# Altium PCB APP_EMILE.PcbDoc (part 4 of 6) (continued)
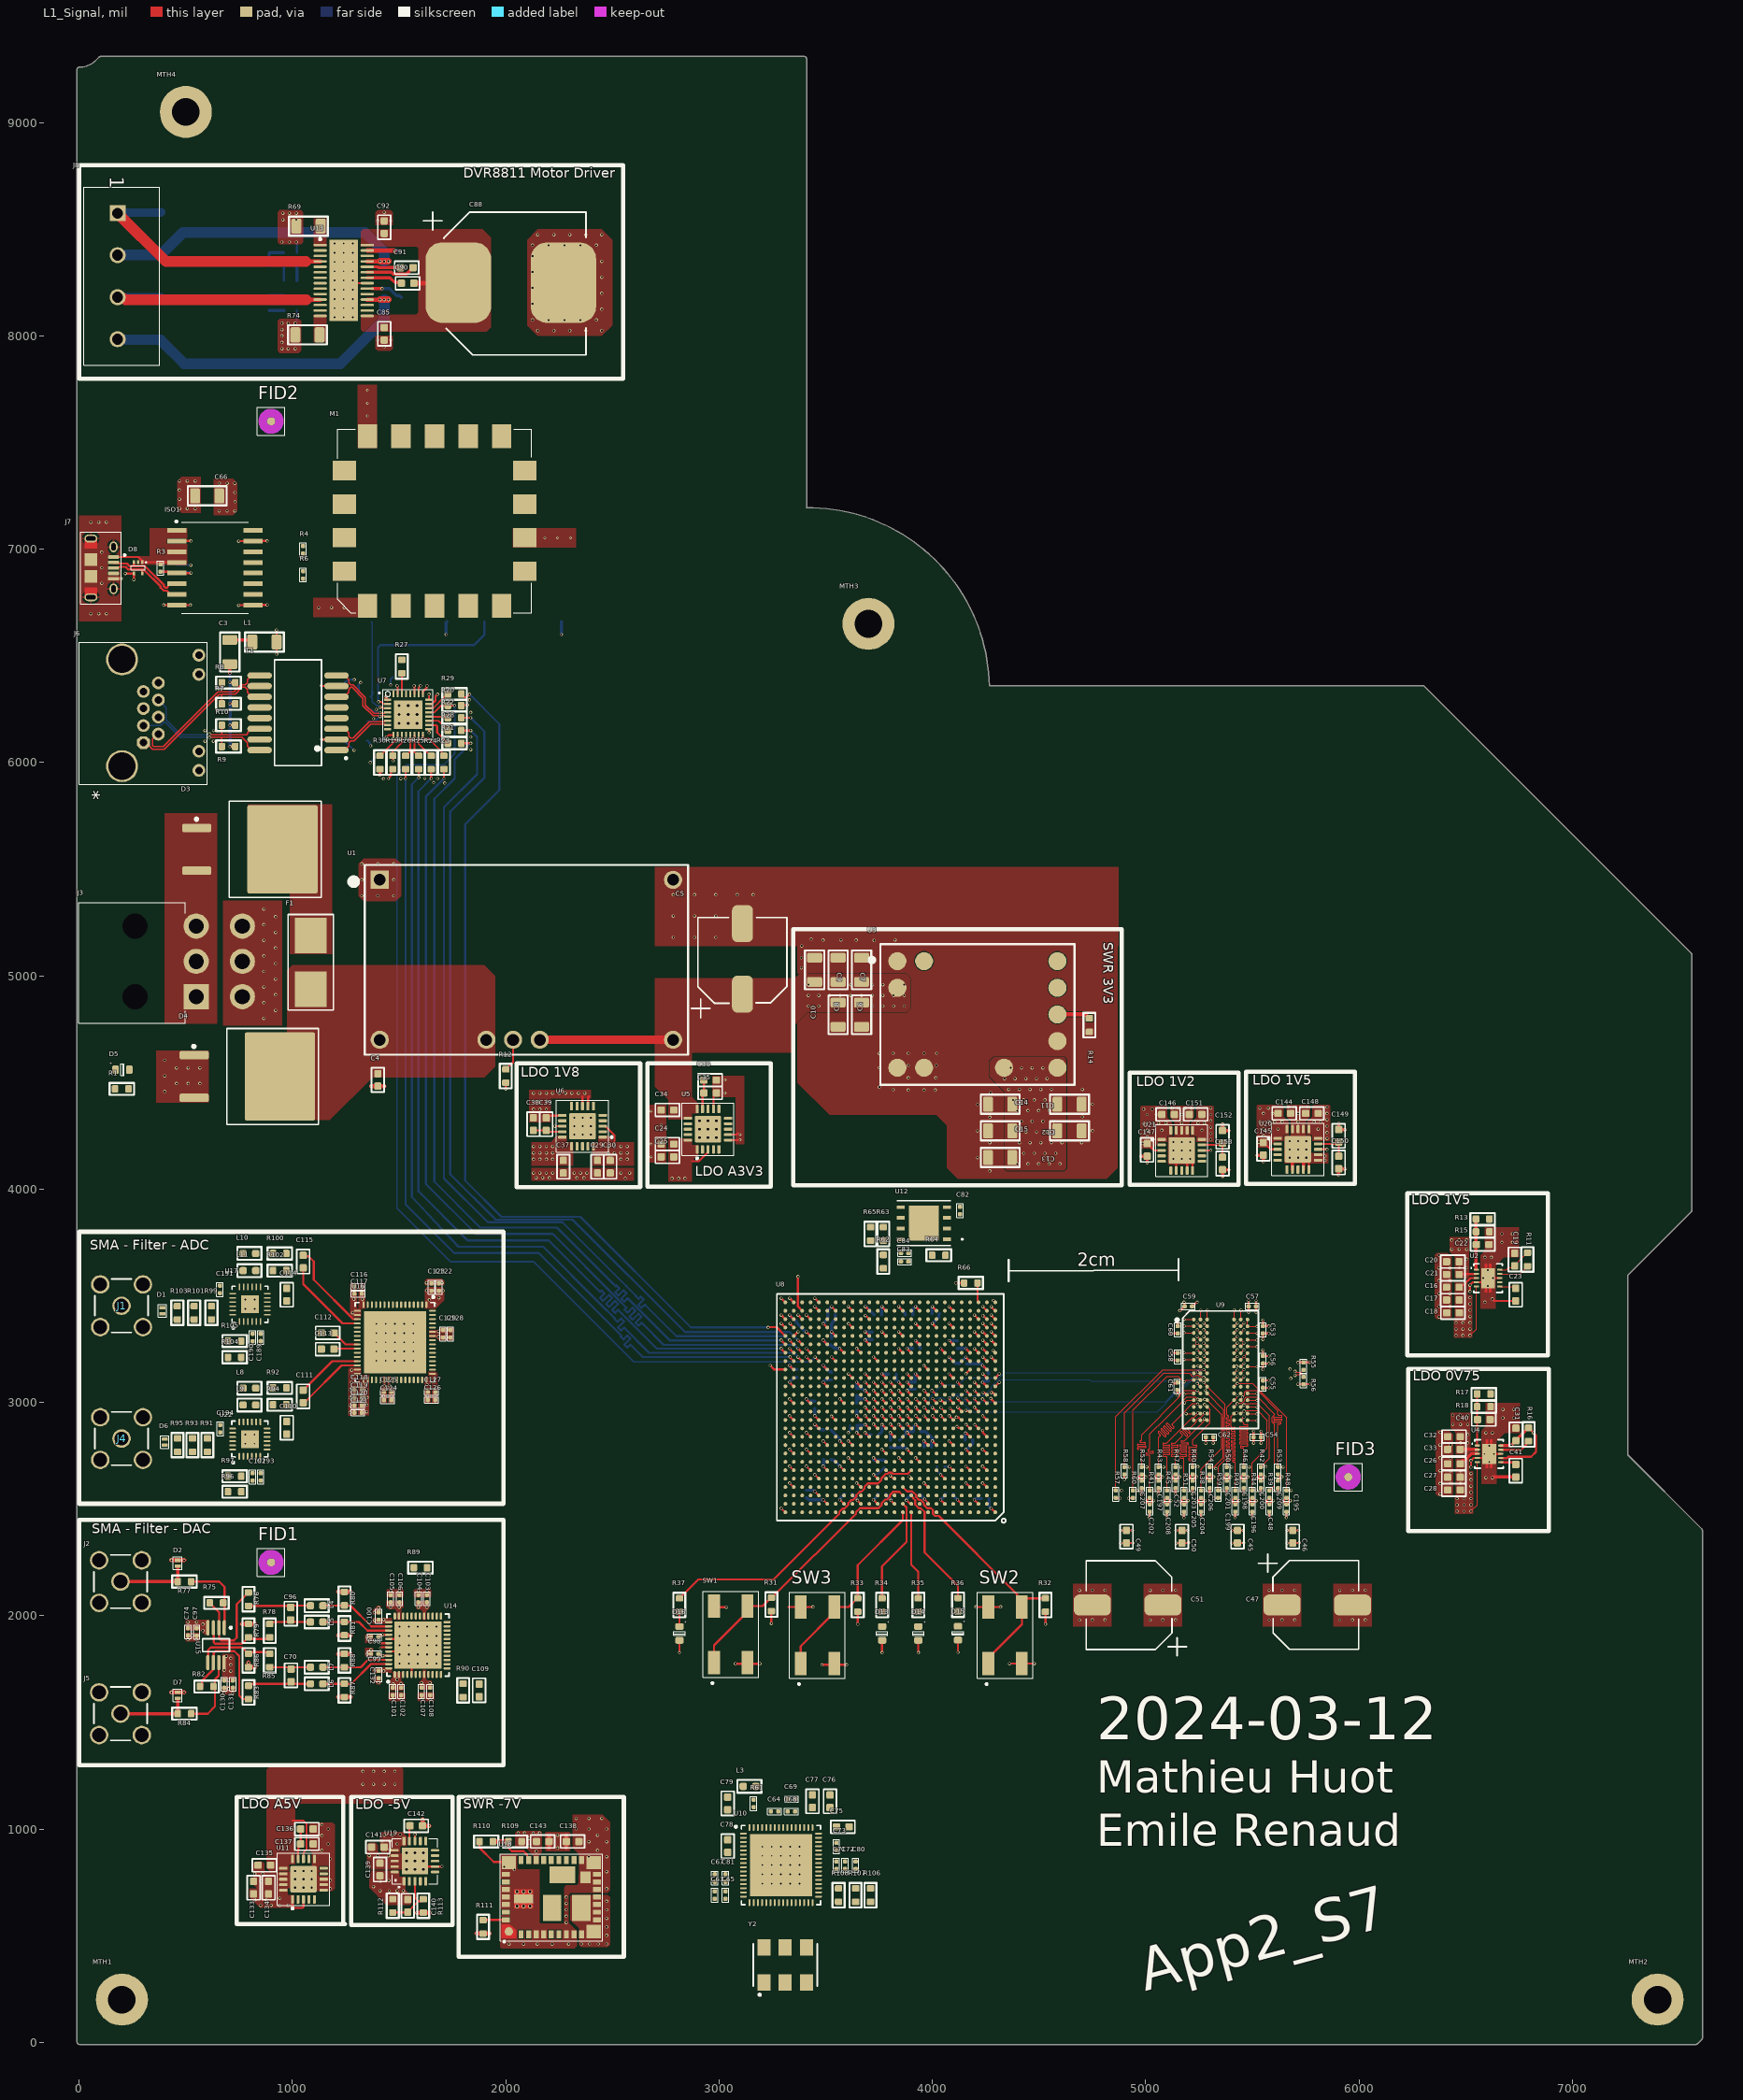
[diagram p0: L1_Signal view]
## Nets (pads, with @x,y where several pads share a name; then routed paths per layer and width w, separated by ;. In a path a pad name is that pad's centre, name@x,y a point inside that pad or via, vN(x,y) a via of type N, cw(c..) or ccw(c..) an arc to the next point about the centre after c; other vN are vias at no path point) (continued)
  L1_Signal w4: U9.N8@5445.68,3010.7 5445.68,3013.57 5453.91,3021.81 v1(5453.91,3024.68)
  L1_Signal w10: v1(4273.74,3018.22) 4273.74,3017.98 4294.79,2996.93 U8.P1@4294.79,2996.68
  L3_Signal w7.04: v1(4273.74,3018.22) 4444.57,3018.22 4450.72,3024.38 4454.24,3024.38 ccw(c4454.24,3031.41) 4461.28,3031.41 4461.28,3031.63 cw(c4467.3,3031.63) 4473.32,3031.63 4473.32,3031.41 ccw(c4480.36,3031.41) 4480.36,3024.38 4676.95,3024.38 4803.64,3024.38 4807.16,3024.38 ccw(c4807.16,3031.41) 4814.2,3031.41 4814.2,3031.78 cw(c4820.22,3031.78) 4826.24,3031.78 4826.24,3010.39 ccw(c4832.25,3010.39) 4838.27,3010.39 4838.27,3031.78 cw(c4844.29,3031.78) 4850.31,3031.78 4850.31,3010.39 ccw(c4856.33,3010.39) 4862.35,3010.39 4862.35,3031.78 cw(c4868.37,3031.78) 4874.39,3031.78 4874.39,3010.39 ccw(c4880.41,3010.39) 4886.43,3010.39 4886.43,3031.78 cw(c4892.44,3031.78) 4898.46,3031.78 4898.46,3010.39 ccw(c4904.48,3010.39) 4910.5,3010.39 4910.5,3031.78 cw(c4916.52,3031.78) 4922.54,3031.78 4922.54,3010.39 ccw(c4928.56,3010.39) 4934.58,3010.39 4934.58,3031.78 cw(c4940.6,3031.78) 4946.62,3031.78 4946.62,3010.39 ccw(c4952.63,3010.39) 4958.65,3010.39 4958.65,3020.82 cw(c4964.67,3020.82) 4970.69,3020.82 4970.69,3010.39 ccw(c4976.71,3010.39) 4982.73,3010.39 4982.73,3018.47 cw(c4988.75,3018.47) 4994.77,3018.47 4994.77,3010.39 ccw(c5000.79,3010.39) 5006.81,3010.39 5006.81,3018.46 cw(c5012.82,3018.46) 5018.84,3018.46 5018.84,3010.39 ccw(c5024.86,3010.39) 5030.88,3010.39 5030.88,3018.46 cw(c5036.9,3018.46) 5042.92,3018.46 5042.92,3010.39 ccw(c5048.94,3010.39) 5054.96,3010.39 5054.96,3018.45 cw(c5060.98,3018.45) 5067,3018.45 5067,3010.39 ccw(c5073.01,3010.39) 5079.03,3010.39 5079.03,3018.45 cw(c5085.05,3018.45) 5091.07,3018.45 5091.07,3010.39 ccw(c5097.09,3010.39) 5103.11,3010.39 5103.11,3017.34 cw(c5110.15,3017.34) 5110.15,3024.38 5139.7,3024.38 ; 5139.69,3024.36 5144.26,3019.8 5206.08,3019.8 5215.32,3029.04 5329.7,3029.04 5341.82,3016.92 5444,3016.92 5451.76,3024.68 v1(5453.91,3024.68)
DDR3_BA2: R54.1 U8.N5 U9.M3 | length 2113.4
  L1_Signal w3: U9.M3@5288.2,3042.2 5365.72,2964.68 5365.72,2933.67 5363.5,2931.46 5363.5,2741.54 5319.46,2697.5 R54.1@5300,2697.5
  L1_Signal w4: v1(5279.39,3056.46) 5279.39,3053.73 5288.2,3044.93 U9.M3@5288.2,3042.2
  L1_Signal w10: v1(4119.58,2977.44) 4119.58,2976.24 4137.23,2958.59 U8.N5@4137.31,2957.31
  L10_Signal w7.04: v1(4119.58,2977.44) 4120.94,2978.81 4137.64,2978.81 4149.05,2990.22 4163.59,2990.22 4177.47,2976.35 4177.47,2976.26 4191.35,2962.38 4275.89,2962.38 4279.41,2962.38 ccw(c4279.41,2969.42) 4286.45,2969.42 4286.45,2976.36 cw(c4292.47,2976.36) 4298.49,2976.36 4298.49,2968.4 ccw(c4304.51,2968.4) 4310.53,2968.4 4310.53,2976.36 cw(c4316.55,2976.36) 4322.57,2976.36 4322.57,2968.4 ccw(c4328.59,2968.4) 4334.6,2968.4 4334.6,2976.36 cw(c4340.62,2976.36) 4346.64,2976.36 4346.64,2968.4 ccw(c4352.66,2968.4) 4358.68,2968.4 4358.68,2976.36 cw(c4364.7,2976.36) 4370.72,2976.36 4370.72,2968.4 ccw(c4376.74,2968.4) 4382.76,2968.4 4382.76,2976.36 cw(c4388.78,2976.36) 4394.79,2976.36 4394.79,2968.4 ccw(c4400.81,2968.4) 4406.83,2968.4 4406.83,2976.36 cw(c4412.85,2976.36) 4418.87,2976.36 4418.87,2968.4 ccw(c4424.89,2968.4) 4430.91,2968.4 4430.91,2976.36 cw(c4436.93,2976.36) 4442.95,2976.36 4442.95,2968.4 ccw(c4448.97,2968.4) 4454.98,2968.4 4454.98,2976.36 cw(c4461,2976.36) 4467.02,2976.36 4467.02,2968.4 ccw(c4473.04,2968.4) 4479.06,2968.4 4479.06,2976.36 cw(c4485.08,2976.36) 4491.1,2976.36 4491.1,2968.4 ccw(c4497.12,2968.4) 4503.14,2968.4 4503.14,2976.36 cw(c4509.16,2976.36) 4515.17,2976.36 4515.17,2968.4 ccw(c4521.19,2968.4) 4527.21,2968.4 4527.21,2976.36 cw(c4533.23,2976.36) 4539.25,2976.36 4539.25,2968.4 ccw(c4545.27,2968.4) 4551.29,2968.4 4551.29,2974.98 cw(c4557.31,2974.98) 4563.33,2974.98 4563.33,2968.4 ccw(c4569.35,2968.4) 4575.36,2968.4 4575.36,2969.42 cw(c4581.38,2969.42) 4587.4,2969.42 ccw(c4594.44,2969.42) 4594.44,2962.38 4650.94,2962.38 4675.05,2962.38 4688.35,2975.68 5286.78,2975.68 5300.11,2989.01 5300.11,3035.73 v1(5279.39,3056.46)
DDR3_CAS_N: R58.1 U8.P8 U9.K3 | length 2125.2
  L1_Signal w4: R58.1@4900,2697.5 4900,2951.99 5084.7,3136.69 5205.6,3136.69 5219.46,3122.83 5230.94,3122.83 5237.16,3129.04 5244.75,3129.04 5250.96,3122.83 5263.98,3122.83 5270.02,3116.79 v1(5273,3116.79) 5274.8,3116.79 5286.4,3105.19 U9.K3@5288.2,3105.19
  L1_Signal w10: v1(4000.3,3017.98) 4000.3,3016.78 4019.2,2997.89 U8.P8@4019.2,2997.03
  L12_Signal w4: v1(4000.3,3017.98) 4023.68,3017.98 4028.73,3023.03 4049.29,3023.03 4063.67,3008.66 4084.22,3008.66 4107.46,3031.89 4125.35,3031.89 4153.23,3004.01 5092.67,3004.01 5155.19,3066.52 5168.22,3066.52 5230.74,3129.04 5261.16,3129.04 5273,3117.2 v1(5273,3116.79)
DDR3_CK_N: R56.1 U8.R3 U9.K7 | length 1699
  L1_Signal w4: U9.K7@5414.18,3105.19 5414.18,3105.37 5429.02,3120.21 v1(5429.02,3120.39) ; v1(5700,3127.14) 5702.98,3127.14 5707.48,3131.64 5724.35,3131.64 5724.65,3131.94 5729.9,3131.94 5740,3121.84 R56.1@5740,3120.39
  L1_Signal w10: v1(4197.15,3054.94) U8.R3@4216.05,3036.05
  L3_Signal w4: v1(4197.15,3054.94) 4184.53,3054.94 4182.19,3057.29 4182.19,3060.6 4193.12,3071.53 4334.53,3071.53 4335,3071.06 ; 5416.11,3129.98 5419.43,3129.98 v1(5429.02,3120.39) 5440.27,3131.64 5454.09,3131.64 5455.34,3132.89 5638.12,3132.89 5639.37,3131.64 5692.52,3131.64 5697.02,3127.14 v1(5700,3127.14)
  L3_Signal w5.38: 4335,3071.06 4339.3,3071.06 4358.28,3090.04 4525.28,3090.04 4540.59,3074.73 4649.64,3074.73 4709.73,3134.82 5015.94,3134.82 5021.32,3140.2 5227.61,3140.2 5230.76,3137.05 5230.76,3136.08 5238.48,3128.35 5249.41,3128.35 5254.02,3132.97 5260.25,3132.97 5263.24,3129.98 5416.11,3129.98
DDR3_CK_P: R55.2 U8.R4 U9.J7 | length 1714.4
  L1_Signal w4: U9.J7@5414.18,3136.69 v1(5429.07,3151.57) ; v1(5700,3145.14) 5702.98,3145.14 5707.48,3140.64 5712.5,3140.64 5712.81,3140.94 5729.9,3140.94 5740,3151.04 R55.2@5740,3152.5
  L1_Signal w10: v1(4157.78,3054.94) U8.R4@4176.68,3036.05
  L3_Signal w4: v1(4157.78,3054.94) 4170.41,3054.94 4172.75,3057.29 4172.75,3064.51 4189.21,3080.97 4334.53,3080.97 4335,3081.44 ; 5417.49,3140.35 5428.7,3151.57 v1(5429.07,3151.57) ; v1@5429.02,3151.88 5440.27,3140.64 5450.36,3140.64 5451.61,3141.89 5641.85,3141.89 5643.1,3140.64 5692.52,3140.64 5697.02,3145.14 v1(5700,3145.14)
  L3_Signal w5.38: 4335,3081.44 4353.98,3100.42 4529.58,3100.42 4544.89,3085.11 4645.34,3085.11 4705.43,3145.2 5011.64,3145.2 5017.02,3150.58 5234.33,3150.58 5238.48,3154.73 5249.41,3154.73 5257.13,3147 5257.13,3146.49 5260.28,3143.35 5264.55,3143.35 5267.54,3140.35 5417.49,3140.35
DDR3_CKE: U8.M9 | length 26.9
  L1_Signal w3: v1@3960.09,2937.18 v1@3960.16,2937.18 ; U8.M9@3979.75,2917.59 U8.M9@3979.83,2917.59
  L1_Signal w10: v1(3960.86,2936.83) U8.M9@3979.75,2917.94
DDR3_DM: U8.W3
DDR3_DQ0: U8.Y3 U9.E3 | length 1424.7
  L1_Signal w4: v1(5273,3277.51) 5273.18,3277.51 5288.02,3262.67 U9.E3@5288.2,3262.67
  L1_Signal w10: v1(4197.15,3251.79) U8.Y3@4216.05,3232.9
  L3_Signal w7.04: v1(4197.15,3251.79) 4216.27,3251.79 4239.41,3228.66 4443.66,3228.66 4506.53,3291.53 4729.37,3291.53 4732.89,3291.53 ccw(c4732.89,3298.57) 4739.93,3298.57 4739.93,3305.51 cw(c4745.95,3305.51) 4745.95,3311.53 cw(c4745.95,3305.51) 4751.97,3305.51 4751.97,3277.55 ccw(c4757.99,3277.55) 4757.99,3271.53 ccw(c4757.99,3277.55) 4764.01,3277.55 4764.01,3305.51 cw(c4770.03,3305.51) 4770.03,3311.53 cw(c4770.03,3305.51) 4776.05,3305.51 4776.05,3277.55 ccw(c4782.07,3277.55) 4782.07,3271.53 ccw(c4782.07,3277.55) 4788.09,3277.55 4788.09,3305.51 cw(c4794.1,3305.51) 4794.1,3311.53 cw(c4794.1,3305.51) 4800.12,3305.51 4800.12,3277.55 ccw(c4806.14,3277.55) 4806.14,3271.53 ccw(c4806.14,3277.55) 4812.16,3277.55 4812.16,3305.51 cw(c4818.18,3305.51) 4818.18,3311.53 cw(c4818.18,3305.51) 4824.2,3305.51 4824.2,3284.16 ccw(c4830.22,3284.16) 4830.22,3278.15 ccw(c4830.22,3284.16) 4836.24,3284.16 4836.24,3284.49 cw(c4843.28,3284.49) 4843.28,3291.53 5059.59,3291.53 5258.98,3291.53 v1(5273,3277.51)
DDR3_DQ1: U8.Y1 U9.F7 | length 1331.1
  L1_Signal w4: U9.F7@5414.18,3231.18 5414.18,3231.35 5429.02,3246.19 v1(5429.02,3246.37)
  L1_Signal w10: v1(4285.01,3242.68) U8.Y1@4294.79,3232.9
  L10_Signal w7.04: v1(4285.01,3242.68) 4287.17,3242.68 4296.29,3251.79 4556.81,3251.79 4572.37,3251.79 cw(c4572.37,3244.76) 4579.41,3244.76 4579.41,3237.81 ccw(c4585.43,3237.81) 4585.43,3231.79 ccw(c4585.43,3237.81) 4591.45,3237.81 4591.45,3251.05 cw(c4597.47,3251.05) 4597.47,3257.07 cw(c4597.47,3251.05) 4603.49,3251.05 4603.49,3237.81 ccw(c4609.51,3237.81) 4609.51,3231.79 ccw(c4609.51,3237.81) 4615.53,3237.81 4615.53,3251.05 cw(c4621.54,3251.05) 4621.54,3257.07 cw(c4621.54,3251.05) 4627.56,3251.05 4627.56,3237.81 ccw(c4633.58,3237.81) 4633.58,3231.79 ccw(c4633.58,3237.81) 4639.6,3237.81 4639.6,3251.05 cw(c4645.62,3251.05) 4645.62,3257.07 cw(c4645.62,3251.05) 4651.64,3251.05 4651.64,3243 ccw(c4657.66,3243) 4657.66,3236.98 ccw(c4657.66,3243) 4663.68,3243 4663.68,3244.76 cw(c4670.72,3244.76) 4670.72,3251.79 4743.02,3251.79 4774.31,3251.79 4782.55,3260.04 5415.36,3260.04 v1(5429.02,3246.37)
DDR3_DQ2: U8.W2 U9.F2 | length 1424.7
  L1_Signal w4: v1(5241.5,3246.02) 5241.68,3246.02 5256.52,3231.18 U9.F2@5256.7,3231.18
  L1_Signal w10: v1(4236.52,3212.42) U8.W2@4255.42,3193.53
  L3_Signal w7.04: v1(4236.52,3212.42) 4237.93,3211.02 4254.58,3211.02 4267.2,3198.41 4492.11,3198.41 4507.66,3198.41 cw(c4507.66,3191.37) 4514.7,3191.37 4514.7,3184.42 ccw(c4520.72,3184.42) 4520.72,3178.41 ccw(c4520.72,3184.42) 4526.74,3184.42 4526.74,3196.37 cw(c4532.76,3196.37) 4532.76,3202.39 cw(c4532.76,3196.37) 4538.78,3196.37 4538.78,3184.42 ccw(c4544.8,3184.42) 4544.8,3178.41 ccw(c4544.8,3184.42) 4550.82,3184.42 4550.82,3200.6 cw(c4556.84,3200.6) 4556.84,3206.62 cw(c4556.84,3200.6) 4562.86,3200.6 4562.86,3184.42 ccw(c4568.88,3184.42) 4568.88,3178.41 ccw(c4568.88,3184.42) 4574.9,3184.42 4574.9,3212.39 cw(c4580.91,3212.39) 4580.91,3218.41 cw(c4580.91,3212.39) 4586.93,3212.39 4586.93,3184.42 ccw(c4592.95,3184.42) 4592.95,3178.41 ccw(c4592.95,3184.42) 4598.97,3184.42 4598.97,3212.39 cw(c4604.99,3212.39) 4604.99,3218.41 cw(c4604.99,3212.39) 4611.01,3212.39 4611.01,3184.42 ccw(c4617.03,3184.42) 4617.03,3178.41 ccw(c4617.03,3184.42) 4623.05,3184.42 4623.05,3212.39 cw(c4629.07,3212.39) 4629.07,3218.41 cw(c4629.07,3212.39) 4635.09,3212.39 4635.09,3184.42 ccw(c4641.11,3184.42) 4641.11,3178.41 ccw(c4641.11,3184.42) 4647.13,3184.42 4647.13,3207.08 cw(c4653.15,3207.08) 4653.15,3213.1 cw(c4653.15,3207.08) 4659.16,3207.08 4659.16,3205.44 ccw(c4666.2,3205.44) 4666.2,3198.41 4717.33,3198.41 4728.45,3198.41 4776.58,3246.54 5240.98,3246.54 v1(5241.5,3246.02)
DDR3_DQ3: U8.W1 U9.F8 | length 1424.7
  L1_Signal w4: U9.F8@5445.68,3231.18 5445.68,3231.35 5460.52,3246.19 v1(5460.52,3246.37)
  L1_Signal w10: v1(4275.89,3212.42) U8.W1@4294.79,3193.53
  L3_Signal w7.04: v1(4275.89,3212.42) 4542.42,3212.42 4590.39,3260.39 4858.77,3260.39 4862.29,3260.39 ccw(c4862.29,3267.43) 4869.33,3267.43 4869.33,3274.37 cw(c4875.35,3274.37) 4875.35,3280.39 cw(c4875.35,3274.37) 4881.37,3274.37 4881.37,3262.6 ccw(c4887.39,3262.6) 4887.39,3256.58 ccw(c4887.39,3262.6) 4893.41,3262.6 4893.41,3274.37 cw(c4899.43,3274.37) 4899.43,3280.39 cw(c4899.43,3274.37) 4905.45,3274.37 4905.45,3262.6 ccw(c4911.47,3262.6) 4911.47,3256.58 ccw(c4911.47,3262.6) 4917.49,3262.6 4917.49,3274.37 cw(c4923.51,3274.37) 4923.51,3280.39 cw(c4923.51,3274.37) 4929.52,3274.37 4929.52,3262.6 ccw(c4935.54,3262.6) 4935.54,3256.58 ccw(c4935.54,3262.6) 4941.56,3262.6 4941.56,3274.37 cw(c4947.58,3274.37) 4947.58,3280.39 cw(c4947.58,3274.37) 4953.6,3274.37 4953.6,3262.6 ccw(c4959.62,3262.6) 4959.62,3256.58 ccw(c4959.62,3262.6) 4965.64,3262.6 4965.64,3268.58 cw(c4971.66,3268.58) 4971.66,3274.6 cw(c4971.66,3268.58) 4977.68,3268.58 4977.68,3267.43 ccw(c4984.72,3267.43) 4984.72,3260.39 5165.5,3260.39 5446.5,3260.39 v1(5460.52,3246.37)
DDR3_DQ4: U8.T3 U9.H3 | length 1427.5
  L1_Signal w4: v1(5272.45,3188.42) 5274.55,3186.32 5274.55,3181.65 5288.02,3168.18 U9.H3@5288.2,3168.18
  L1_Signal w10: v1(4197.15,3094.31) U8.T3@4216.05,3075.42
  L3_Signal w7.04: v1(4197.15,3094.31) 4215.57,3094.31 4240.93,3119.67 4526.74,3119.67 4530.26,3119.67 ccw(c4530.26,3126.7) 4537.3,3126.7 4537.3,3133.65 cw(c4543.32,3133.65) 4543.32,3139.67 cw(c4543.32,3133.65) 4549.34,3133.65 4549.34,3110.37 ccw(c4555.36,3110.37) 4555.36,3104.35 ccw(c4555.36,3110.37) 4561.38,3110.37 4561.38,3133.65 cw(c4567.4,3133.65) 4567.4,3139.67 cw(c4567.4,3133.65) 4573.42,3133.65 4573.42,3110.37 ccw(c4579.43,3110.37) 4579.43,3104.35 ccw(c4579.43,3110.37) 4585.45,3110.37 4585.45,3133.65 cw(c4591.47,3133.65) 4591.47,3139.67 cw(c4591.47,3133.65) 4597.49,3133.65 4597.49,3110.37 ccw(c4603.51,3110.37) 4603.51,3104.35 ccw(c4603.51,3110.37) 4609.53,3110.37 4609.53,3133.65 cw(c4615.55,3133.65) 4615.55,3139.67 cw(c4615.55,3133.65) 4621.57,3133.65 4621.57,3112.17 ccw(c4627.59,3112.17) 4627.59,3106.15 ccw(c4627.59,3112.17) 4633.61,3112.17 4633.61,3126.7 cw(c4639.63,3126.7) 4639.63,3132.72 cw(c4639.63,3126.7) 4645.65,3126.7 ccw(c4652.68,3126.7) 4652.68,3119.67 4659.47,3126.45 4718.02,3185 5183.8,3185 5195.85,3197.04 5261.67,3197.04 5270.29,3188.42 v1(5272.45,3188.42)
DDR3_DQ5: U8.T1 U9.H8 | length 1424.7
  L1_Signal w4: U9.H8@5445.68,3168.18 5445.68,3168.36 5460.52,3183.2 v1(5460.52,3183.38)
  L1_Signal w10: U8.T1@4294.79,3075.42 v1(4313.68,3094.31)
  L3_Signal w7.04: v1(4313.68,3094.31) 4328.99,3109.63 4533.39,3109.63 4548.71,3094.31 4641.53,3094.31 4663.63,3116.41 4721.62,3174.4 4880.41,3174.4 4895.97,3174.4 cw(c4895.97,3167.36) 4903,3167.36 4903,3160.42 ccw(c4909.02,3160.42) 4909.02,3154.4 ccw(c4909.02,3160.42) 4915.04,3160.42 4915.04,3168.94 cw(c4921.06,3168.94) 4921.06,3174.96 cw(c4921.06,3168.94) 4927.08,3168.94 4927.08,3160.42 ccw(c4933.1,3160.42) 4933.1,3154.4 ccw(c4933.1,3160.42) 4939.12,3160.42 4939.12,3168.94 cw(c4945.14,3168.94) 4945.14,3174.96 cw(c4945.14,3168.94) 4951.16,3168.94 4951.16,3160.42 ccw(c4957.18,3160.42) 4957.18,3154.4 ccw(c4957.18,3160.42) 4963.2,3160.42 4963.2,3168.94 cw(c4969.22,3168.94) 4969.22,3174.96 cw(c4969.22,3168.94) 4975.23,3168.94 4975.23,3160.42 ccw(c4981.25,3160.42) 4981.25,3154.4 ccw(c4981.25,3160.42) 4987.27,3160.42 4987.27,3168.94 cw(c4993.29,3168.94) 4993.29,3174.96 cw(c4993.29,3168.94) 4999.31,3168.94 4999.31,3160.42 ccw(c5005.33,3160.42) 5005.33,3154.4 ccw(c5005.33,3160.42) 5011.35,3160.42 5011.35,3168.94 cw(c5017.37,3168.94) 5017.37,3174.96 cw(c5017.37,3168.94) 5023.39,3168.94 5023.39,3166.07 ccw(c5029.41,3166.07) 5029.41,3160.05 ccw(c5029.41,3166.07) 5035.43,3166.07 5035.43,3167.36 cw(c5042.47,3167.36) 5042.47,3174.4 5110.15,3174.4 5187.4,3174.4 5198.08,3185.08 5251.43,3185.08 5262.11,3174.4 5278.25,3174.4 5287.23,3183.38 v1(5460.52,3183.38)
DDR3_DQ6: U8.U2 U9.G2 | length 1331.1
  L1_Signal w4: v1(5241.5,3214.52) 5241.68,3214.52 5256.52,3199.68 U9.G2@5256.7,3199.68
  L1_Signal w10: v1(4236.52,3133.68) U8.U2@4255.42,3114.79
  L10_Signal w7.04: v1(4236.52,3133.68) 4293.85,3133.68 4319.2,3159.04 4414.66,3159.04 4418.18,3159.04 ccw(c4418.18,3166.07) 4425.22,3166.07 4425.22,3173.02 cw(c4431.24,3173.02) 4431.24,3179.04 cw(c4431.24,3173.02) 4437.25,3173.02 4437.25,3149.74 ccw(c4443.27,3149.74) 4443.27,3143.72 ccw(c4443.27,3149.74) 4449.29,3149.74 4449.29,3173.02 cw(c4455.31,3173.02) 4455.31,3179.04 cw(c4455.31,3173.02) 4461.33,3173.02 4461.33,3149.74 ccw(c4467.35,3149.74) 4467.35,3143.72 ccw(c4467.35,3149.74) 4473.37,3149.74 4473.37,3173.02 cw(c4479.39,3173.02) 4479.39,3179.04 cw(c4479.39,3173.02) 4485.41,3173.02 4485.41,3149.74 ccw(c4491.43,3149.74) 4491.43,3143.72 ccw(c4491.43,3149.74) 4497.45,3149.74 4497.45,3173.02 cw(c4503.47,3173.02) 4503.47,3179.04 cw(c4503.47,3173.02) 4509.49,3173.02 4509.49,3155.71 ccw(c4515.5,3155.71) 4515.5,3149.69 ccw(c4515.5,3155.71) 4521.52,3155.71 4521.52,3166.07 cw(c4527.54,3166.07) 4527.54,3172.09 cw(c4527.54,3166.07) 4533.56,3166.07 ccw(c4540.6,3166.07) 4540.6,3159.04 4696.82,3159.04 4722.92,3159.04 4778.93,3215.04 5240.98,3215.04 v1(5241.5,3214.52)
DDR3_DQ7: U8.U1 U9.H7 | length 1337.3
  L1_Signal w4: U9.H7@5414.18,3168.18 5414.77,3168.77 5425.77,3168.77 v1(5426.35,3169.36)
  L1_Signal w10: U8.U1@4294.79,3114.79 v1(4313.68,3133.68)
  L10_Signal w7.04: v1(4313.68,3133.68) 4765.04,3133.68 4768.56,3133.68 ccw(c4768.56,3140.72) 4775.6,3140.72 4775.6,3147.67 cw(c4781.62,3147.67) 4781.62,3153.68 cw(c4781.62,3147.67) 4787.64,3147.67 4787.64,3119.7 ccw(c4793.66,3119.7) 4793.66,3113.68 ccw(c4793.66,3119.7) 4799.68,3119.7 4799.68,3147.67 cw(c4805.69,3147.67) 4805.69,3153.68 cw(c4805.69,3147.67) 4811.71,3147.67 4811.71,3119.7 ccw(c4817.73,3119.7) 4817.73,3113.68 ccw(c4817.73,3119.7) 4823.75,3119.7 4823.75,3126.65 cw(c4830.79,3126.65) 4830.79,3133.68 5083.39,3133.68 5132.49,3133.68 5199.3,3200.5 5264.7,3200.5 5266.64,3202.44 5409.96,3202.44 5424.98,3187.42 5424.98,3170.73 v1(5426.35,3169.36)
DDR3_DQ8: U8.AA2 U9.D7 | length 1331.1
  L1_Signal w4: U9.D7@5414.18,3294.17 5414.18,3294.35 5429.02,3309.19 v1(5429.02,3309.36)
  L1_Signal w10: v1(4236.52,3291.16) U8.AA2@4255.42,3272.27
  L10_Signal w7.04: v1(4236.52,3291.16) 4250.54,3277.15 4377.15,3277.15 4405,3305 4461.26,3305 4464.77,3305 ccw(c4464.77,3312.04) 4471.81,3312.04 4471.81,3318.98 cw(c4477.83,3318.98) 4477.83,3325 cw(c4477.83,3318.98) 4483.85,3318.98 4483.85,3292.8 ccw(c4489.87,3292.8) 4489.87,3286.78 ccw(c4489.87,3292.8) 4495.89,3292.8 4495.89,3297.96 cw(c4502.93,3297.96) 4502.93,3305 4845,3305 5177.82,3305 5195.85,3323.03 5415.36,3323.03 v1(5429.02,3309.36)
DDR3_DQ9: U8.AA1 U9.C3 | length 1434.4
  L1_Signal w4: v1(5273,3340.5) 5273.18,3340.5 5288.02,3325.66 U9.C3@5288.2,3325.66
  L1_Signal w10: v1(4275.89,3291.16) U8.AA1@4294.79,3272.27
  L3_Signal w7.04: v1(4275.89,3291.16) 4329.21,3344.48 4410,3344.48 4413.52,3344.48 ccw(c4413.52,3351.52) 4420.56,3351.52 cw(c4426.58,3351.52) 4426.58,3357.54 cw(c4426.58,3351.52) 4432.6,3351.52 ccw(c4439.64,3351.52) 4439.64,3344.48 4568.88,3344.48 4598.43,3344.48 4601.95,3344.48 ccw(c4601.95,3351.52) 4608.99,3351.52 4608.99,3358.47 cw(c4615.01,3358.47) 4615.01,3364.48 cw(c4615.01,3358.47) 4621.03,3358.47 4621.03,3330.5 ccw(c4627.05,3330.5) 4627.05,3324.48 ccw(c4627.05,3330.5) 4633.06,3330.5 4633.06,3358.47 cw(c4639.08,3358.47) 4639.08,3364.48 cw(c4639.08,3358.47) 4645.1,3358.47 4645.1,3330.5 ccw(c4651.12,3330.5) 4651.12,3324.48 ccw(c4651.12,3330.5) 4657.14,3330.5 4657.14,3358.47 cw(c4663.16,3358.47) 4663.16,3364.48 cw(c4663.16,3358.47) 4669.18,3358.47 4669.18,3330.5 ccw(c4675.2,3330.5) 4675.2,3324.48 ccw(c4675.2,3330.5) 4681.22,3330.5 4681.22,3358.47 cw(c4687.24,3358.47) 4687.24,3364.48 cw(c4687.24,3358.47) 4693.26,3358.47 4693.26,3330.5 ccw(c4699.28,3330.5) 4699.28,3324.48 ccw(c4699.28,3330.5) 4705.3,3330.5 4705.3,3358.47 cw(c4711.32,3358.47) 4711.32,3364.48 cw(c4711.32,3358.47) 4717.33,3358.47 4717.33,3330.5 ccw(c4723.35,3330.5) 4723.35,3324.48 ccw(c4723.35,3330.5) 4729.37,3330.5 4729.37,3337.45 cw(c4736.41,3337.45) 4736.41,3344.48 4816.81,3344.48 5185.81,3344.48 5195.85,3354.52 5258.98,3354.52 v1(5273,3340.5)
DDR3_DQ10: U8.AE2 U9.C8 | length 1474.6
  L1_Signal w4: U9.C8@5445.68,3325.66 5445.68,3325.84 5460.52,3340.68 v1(5460.52,3340.86)
  L1_Signal w10: v1(4236.52,3448.65) U8.AE2@4255.42,3429.75
  L3_Signal w7.04: v1(4236.52,3448.65) 4342.88,3555 5345.71,3555 5468.48,3432.22 5468.48,3397.66 5474.54,3391.6 5474.54,3354.88 v1(5460.52,3340.86)
DDR3_DQ11: U8.AE1 U9.C2 | length 1331.1
  L1_Signal w4: v1(5241.5,3340.5) 5241.68,3340.5 5256.52,3325.66 U9.C2@5256.7,3325.66
  L1_Signal w10: v1(4275.89,3448.65) U8.AE1@4294.79,3429.75
  L10_Signal w7.04: v1(4275.89,3448.65) 4556.81,3448.65 4560.33,3448.65 ccw(c4560.33,3455.68) 4567.37,3455.68 4567.37,3462.63 cw(c4573.39,3462.63) 4573.39,3468.65 cw(c4573.39,3462.63) 4579.41,3462.63 4579.41,3434.66 ccw(c4585.43,3434.66) 4585.43,3428.65 ccw(c4585.43,3434.66) 4591.45,3434.66 4591.45,3462.63 cw(c4597.47,3462.63) 4597.47,3468.65 cw(c4597.47,3462.63) 4603.49,3462.63 4603.49,3434.66 ccw(c4609.51,3434.66) 4609.51,3428.65 ccw(c4609.51,3434.66) 4615.53,3434.66 4615.53,3462.63 cw(c4621.54,3462.63) 4621.54,3468.65 cw(c4621.54,3462.63) 4627.56,3462.63 4627.56,3434.66 ccw(c4633.58,3434.66) 4633.58,3428.65 ccw(c4633.58,3434.66) 4639.6,3434.66 4639.6,3462.63 cw(c4645.62,3462.63) 4645.62,3468.65 cw(c4645.62,3462.63) 4651.64,3462.63 4651.64,3434.66 ccw(c4657.66,3434.66) 4657.66,3428.65 ccw(c4657.66,3434.66) 4663.68,3434.66 4663.68,3441.61 cw(c4670.72,3441.61) 4670.72,3448.65 4875.16,3448.65 4986.35,3448.65 5093.97,3341.03 5240.98,3341.03 v1(5241.5,3340.5)
DDR3_DQ12: U8.AD3 U9.A7 | length 1423
  L1_Signal w4: U9.A7@5414.85,3389.33 v1@5414.85,3433.19
  L1_Signal w10: v1(4197.15,3409.27) U8.AD3@4216.05,3390.38
  L3_Signal w7.04: v1(4197.15,3409.27) 4216.98,3409.27 4250.54,3442.84 4250.54,3443.12 4271.29,3463.87 4296.75,3463.87 4357.88,3525 4462.95,3525 4466.47,3525 ccw(c4466.47,3532.04) 4473.51,3532.04 4473.51,3533.65 cw(c4479.52,3533.65) 4479.52,3539.67 cw(c4479.52,3533.65) 4485.54,3533.65 4485.54,3517.96 ccw(c4491.56,3517.96) 4491.56,3511.94 ccw(c4491.56,3517.96) 4497.58,3517.96 cw(c4504.62,3517.96) 4504.62,3525 4779.94,3525 5340,3525 5415.52,3449.48 v1(5415.52,3433.86)
DDR3_DQ13: U8.AD1 U9.A2 | length 1330.3
  L1_Signal w4: U9.A2@5257.37,3389.33 5257.37,3431.14 v1(5258.04,3431.81)
  L1_Signal w10: v1(4275.89,3409.27) U8.AD1@4294.79,3390.38
  L10_Signal w7.04: v1(4275.89,3409.27) 4274.49,3410.68 4274.49,3427.33 4261.88,3439.95 4261.88,3474 4279.79,3491.91 4450.7,3491.91 4454.22,3491.91 ccw(c4454.22,3498.95) 4461.26,3498.95 4461.26,3505.89 cw(c4467.27,3505.89) 4467.27,3511.91 cw(c4467.27,3505.89) 4473.29,3505.89 4473.29,3477.93 ccw(c4479.31,3477.93) 4479.31,3471.91 ccw(c4479.31,3477.93) 4485.33,3477.93 4485.33,3505.89 cw(c4491.35,3505.89) 4491.35,3511.91 cw(c4491.35,3505.89) 4497.37,3505.89 4497.37,3477.93 ccw(c4503.39,3477.93) 4503.39,3471.91 ccw(c4503.39,3477.93) 4509.41,3477.93 4509.41,3502.15 cw(c4515.43,3502.15) 4515.43,3508.17 cw(c4515.43,3502.15) 4521.45,3502.15 4521.45,3498.95 ccw(c4528.49,3498.95) 4528.49,3491.91 4800.08,3491.91 5199.99,3491.91 5258.04,3433.86 v1(5258.04,3431.81)
DDR3_DQ14: U8.AB3 U9.B8 | length 1439.2
  L1_Signal w4: U9.B8@5445.68,3357.16 5445.68,3357.34 5460.52,3372.18 v1(5460.52,3372.36)
  L1_Signal w10: v1(4197.15,3330.53) U8.AB3@4216.05,3311.64
  L3_Signal w7.04: v1(4197.15,3330.53) 4217.87,3351.25 4217.87,3371.08 4237.95,3391.15 4240.39,3391.15 4260.9,3411.67 4260.9,3414.11 4281.42,3434.63 4301.25,3434.63 4356.62,3490 5339.56,3490 5409.72,3419.84 5413.03,3419.84 v1(5460.52,3372.36)
DDR3_DQ15: U8.AB1 U9.A3 | length 1424
  L1_Signal w4: U9.A3@5288.87,3389.33 5288.87,3431.14 v1(5289.54,3431.81)
  L1_Signal w10: v1(4275.89,3330.53) U8.AB1@4294.79,3311.64
  L3_Signal w7.04: v1(4275.89,3330.53) 4349.38,3404.02 4491.56,3404.02 4495.08,3404.02 ccw(c4495.08,3411.06) 4502.12,3411.06 4502.12,3418 cw(c4508.14,3418) 4508.14,3424.02 cw(c4508.14,3418) 4514.16,3418 4514.16,3390.04 ccw(c4520.18,3390.04) 4520.18,3384.02 ccw(c4520.18,3390.04) 4526.2,3390.04 4526.2,3418 cw(c4532.22,3418) 4532.22,3424.02 cw(c4532.22,3418) 4538.24,3418 4538.24,3390.04 ccw(c4544.26,3390.04) 4544.26,3384.02 ccw(c4544.26,3390.04) 4550.28,3390.04 4550.28,3418 cw(c4556.29,3418) 4556.29,3424.02 cw(c4556.29,3418) 4562.31,3418 4562.31,3390.04 ccw(c4568.33,3390.04) 4568.33,3384.02 ccw(c4568.33,3390.04) 4574.35,3390.04 4574.35,3418 cw(c4580.37,3418) 4580.37,3424.02 cw(c4580.37,3418) 4586.39,3418 4586.39,3390.04 ccw(c4592.41,3390.04) 4592.41,3384.02 ccw(c4592.41,3390.04) 4598.43,3390.04 4598.43,3413.73 cw(c4604.45,3413.73) 4604.45,3419.75 cw(c4604.45,3413.73) 4610.47,3413.73 4610.47,3411.06 ccw(c4617.51,3411.06) 4617.51,3404.02 4747.87,3404.02 5259.7,3404.02 5287.49,3431.81 v1(5289.54,3431.81)
DDR3_DQS_N: U8.V1
DDR3_DQS_P: U8.V3
DDR3_LDM: U9.E7 | length 21.3
  L1_Signal w4: U9.E7@5414.18,3262.67 5414.18,3262.85 5429.02,3277.69 v1(5429.02,3277.87)
DDR3_LDQS_N: U9.G3 | length 23.1
  L1_Signal w4: v1(5273,3216.46) 5273,3215.67 5288.2,3200.47 U9.G3@5288.2,3199.68
DDR3_LDQS_P: U9.F3 | length 21.3
  L1_Signal w4: v1(5273,3246.02) 5273.18,3246.02 5288.02,3231.18 U9.F3@5288.2,3231.18
DDR3_ODT: R60.1 U8.P6 U9.K1 | length 1926
  L1_Signal w4: R60.1@4940,2587.5 4940,2963.11 5099.72,3122.83 5153.15,3122.83 v1(5180,3095.98) 5180.67,3095.98 5189.88,3105.19 5223.86,3105.19 U9.K1@5224.53,3105.86
  L1_Signal w10: v1(4079.04,3021.16) 4080,3020.2 4080,3014.62 U8.P6@4097.94,2996.68
  L12_Signal w4: v1(4079.04,3021.16) 4096.78,3038.89 4166.58,3038.89 4173.43,3032.04 4243.23,3032.04 4275.86,3064.68 4275.86,3074.18 4308.5,3106.81 4737.34,3106.81 4743.43,3100.73 5129.68,3100.73 5134.43,3095.98 v1(5180,3095.98)
DDR3_RAS_N: R57.1 U8.N8 U9.J3 | length 2297
  L1_Signal w3: R57.1@4860,2587.5 4860,2932.83 5080.71,3153.54 v1(5273,3153.54)
  L1_Signal w4: v1(5273,3153.54) 5273,3152.71 5288.2,3137.52 U9.J3@5288.2,3136.69
  L1_Signal w10: v1(4000.23,2975.78) 4000.48,2975.78 4018.95,2957.31 U8.N8@4019.12,2957.31
  L12_Signal w4: v1(4000.23,2975.78) 3987.8,2988.21 3987.8,3023.16 4046.81,3082.16 4122.82,3082.16 4156.15,3115.5 4313.17,3115.5 4337.88,3140.21 5229.1,3140.21 5231.44,3142.55 5231.44,3146.72 5238.77,3154.04 5249.12,3154.04 5253.16,3150 5256.48,3150 5258,3151.53 5270.99,3151.53 v1(5273,3153.54)
DDR3_RESET_N: U8.L4 | length 26
  L1_Signal w10: v1(4157.78,2895.98) 4158.53,2895.98 4175.58,2878.92 U8.L4@4176.68,2878.92